# Altium PCB USB HUB3.0-PCB.PcbDoc (part 2 of 3)
Units mil, origin at the board's own origin, x right, y up, seen from the top; angles counter-clockwise.
Board outline 2950 x 3195 mil, 4 copper layers (TOP, GND02, PWR03, BOTTOM), stack 61.811 mil thick; 109 components, 81 nets, 1499 pads, 624 vias.
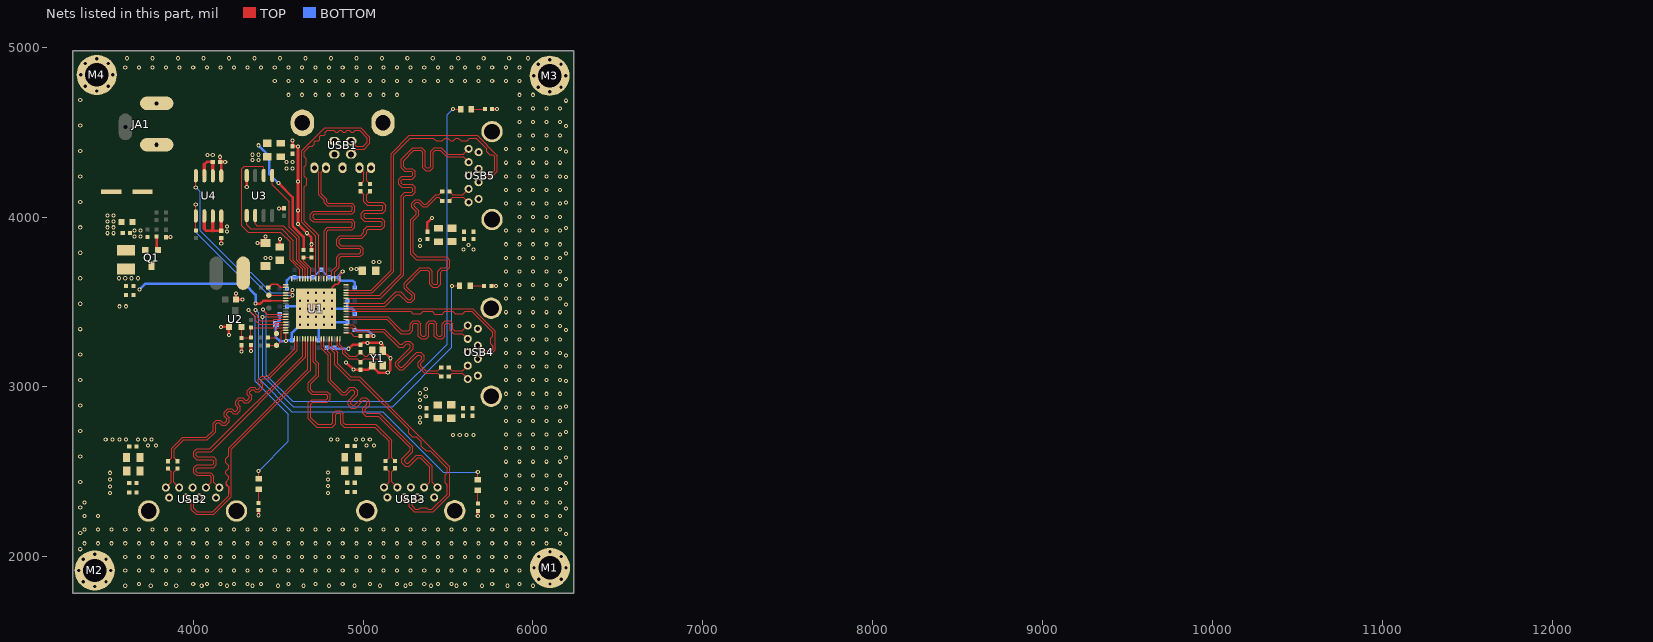
[diagram p4: the nets of this part, all layers, seen from the top]

## Via types
v1: diameter 24, hole 12, TOP to BOTTOM, tented both sides, 600 vias
v2: diameter 25.98, hole 12.99, TOP to BOTTOM, 24 vias

## Nets (pads, with @x,y where several pads share a name; then routed paths per layer and width w, separated by ;. In a path a pad name is that pad's centre, name@x,y a point inside that pad or via, vN(x,y) a via of type N, cw(c..) or ccw(c..) an arc to the next point about the centre after c; other vN are vias at no path point) (continued)
GND: C1.2 C2.2 C3.2 C4.2 C5.2 C6.2 C7.2 C8.2 C9.2 C10.2 C11.2 C12.2 C13.2 C14.2 C15.2 C16.2 C17.2 C18.2 C19.2 C20.2 C21.2 C22.2 C23.2 C24.2 C25.2 C26.1 C27.1 C28.1 C29.1 C32.2 C33.2 C34.2 C35.2 C36.2 C37.2 C40.2 C41.2 C42.2 C43.2 C46.2 C47.2 C48.2 C49.2 C52.2 C53.2 C54.2 C55.2 D1.1 EC1.2 JA1.2 M1.1 M2.1 M3.1 M4.1 R3.2 R5.2 R6.2 R9.2 R10.2 R11.2 R12.2 R19.2 U1.20 U1.57 U1.G U2.1 U3.4 U4.1 USB1.4 USB1.7 USB1.10 USB1.11 USB2.4 USB2.7 USB2.10 USB2.11 USB3.4 USB3.7 USB3.10 USB3.11 USB4.4 USB4.7 USB4.10 USB4.11 USB5.4 USB5.7 USB5.10 USB5.11 Y1.3 Y1.4 | length 4500.3
  TOP w8: v1(4545,3270) U1.57@4545,3318.5 ; U1.G@4626.71,3366.71 4720.24,3460.24 v2(4722.17,3460.24) 4817.74,3555.81 4817.74,3585.66 4837.08,3605 4850,3605 4863.9,3618.9 U1.20@4863.9,3637.4 4863.9,3663.9 v1(4880,3680)
  TOP w15: C29.1@3840,3881.69 v1(3866.69,3881.69) ; v1(4158.31,4355) C26.1@4158.31,4325 ; v1(4163.94,3353.31) U2.1@4210.2,3353.31 v1(4210.2,3307.05) ; v1(4165,3845) C25.2@4165,3876.69 ; U4.1@4165,4243.11 4165,4318.31 C26.1@4158.31,4325 ; C26.1@4165,4325 v1(4188.31,4325) C26.1@4158.31,4325 ; v1(4251.5,3550) C1.2@4251.5,3515 v1(4290,3515) ; v1(4285,3210) C6.2@4285,3245 ; v1(4315.08,4176.89) U3.4@4315.08,4245 ; v1(4340,3211.65) R5.2@4340,3246.65 ; v1(4378.74,3846.93) D1.1@4425,3846.93 v1(4425,3885) ; v1(4385,2245) R9.2@4385,2274.49 ; v1(4505,4050) 4533.35,4050 C24.2@4535,4051.65 ; C2.2@4510,3823.74 v1(4510,3870) ; v1(4585,4450) C33.2@4585,4416.65 v1(4616.65,4416.65) v1(4616.65,3958.35) 4695,3880 v1(4695,3840) R6.2@4695,3806.65 ; v1(4900,3145) v1(4943.31,3101.69) C4.2@4984.92,3101.69 5029.13,3101.69 Y1.4@5054.13,3126.69 5054.13,3120.87 5090,3085 v1(5145,3085) 5160,3100 v1(5160,3169.02) Y1.3@5115.71,3213.31 5115.71,3249.29 v1(5105,3260) v1(5025,3260) 4996.61,3260 C5.2@4984.92,3248.31 4938.31,3248.31 v1(4915,3225) ; R3.2@5026.65,3300 v1(5060,3300) ; C52.2@5378.74,3914.02 5378.74,3968.74 v1(5405,3995) ; v1(5675,2239.41) R10.2@5675,2268.9 ; R11.2@5753.31,3595 R11.2@5755,3595 v1(5782.8,3595) ; R12.2@5759.41,4635 R12.2@5760,4635 v1(5788.9,4635)
  BOTTOM w12: C9.2@4706.42,3645.75 4749.72,3689.06 C18.2@4753.66,3689.06 4796.97,3645.75 C15.2@4800.91,3645.75
  BOTTOM w15: C22.2@4508.35,3428.74 4508.35,3393.35 4485,3370 4485,3295 4510,3270 v1(4545,3270) 4549.72,3274.72 C10.2@4580.43,3274.72 4580.43,3318.5 v2(4627.68,3365.75) ; C8.2@4551.65,3475 4612.91,3475 v2(4627.68,3460.24) ; C19.2@4551.65,3580.47 4551.65,3626.65 4570.75,3645.75 C7.2@4596.18,3645.75 C9.2@4706.42,3645.75 ; v2(4722.17,3365.75) 4737.91,3350 C11.2@4737.91,3274.72 ; C21.2@4785.16,3231.42 C12.2@4832.4,3231.42 4838.82,3225 v1(4915,3225) ; C15.2@4800.91,3645.75 4845.75,3645.75 ; v2(4816.65,3365.75) 4832.4,3381.5 C13.2@4907.68,3381.5 ; v2(4816.65,3460.24) 4910,3460.24 ; v1(4880,3680) 4845.75,3645.75 ; C14.2@4907.68,3507.48 4907.68,3462.56 4910,3460.24 ; C20.2@4950.98,3334.25 5025.75,3334.25 v1(5060,3300) ; C23.2@4950.98,3428.74 4947.27,3432.46 4947.27,3451.45 4938.48,3460.24 4910,3460.24 ; C17.2@4950.98,3586.22 4950.98,3614.02 4940,3625 4866.5,3625 4845.75,3645.75
  other v1: 3600,1830 3750,1830 3900,1830 4050,1830 4200,1830 4350,1830 4500,1830 4650,1830 4800,1830 4950,1830 5100,1830 5250,1830 5400,1830 5550,1830 5700,1830 5850,1830 6000,1830 3680,1840 3840,1840 4000,1840 4080,1840 4160,1840 4240,1840 4320,1840 4400,1840 4560,1840 4720,1840 4880,1840 5040,1840 5200,1840 5280,1840 5360,1840 5440,1840 5520,1840 5600,1840 5760,1840 5920,1840 3600,1920 3680,1920 3760,1920 3840,1920 3920,1920 4000,1920 4080,1920 4160,1920 4240,1920 4320,1920 4400,1920 4480,1920 4560,1920 4640,1920 4720,1920 4800,1920 4880,1920 4960,1920 5040,1920 5120,1920 5200,1920 5280,1920 5360,1920 5440,1920 5520,1920 5600,1920 5680,1920 5760,1920 5840,1920 5920,1920 3600,2000 3680,2000 3760,2000 3840,2000 3920,2000 4000,2000 4080,2000 4160,2000 4240,2000 4320,2000 4400,2000 4480,2000 4560,2000 4640,2000 4720,2000 4800,2000 4880,2000 4960,2000 5040,2000 5120,2000 5200,2000 5280,2000 5360,2000 5440,2000 5520,2000 5600,2000 5680,2000 5760,2000 5840,2000 5920,2000 3335,2045 3360,2080 3440,2080 3520,2080 3600,2080 3680,2080 3760,2080 3840,2080 3920,2080 4000,2080 4080,2080 4160,2080 4240,2080 4320,2080 4400,2080 4480,2080 4560,2080 4640,2080 4720,2080 4800,2080 4880,2080 4960,2080 5040,2080 5120,2080 5200,2080 5280,2080 5360,2080 5440,2080 5520,2080 5600,2080 5680,2080 5760,2080 5840,2080 5920,2080 6000,2080 6080,2080 6160,2080 6195,2135 3335,2140 3360,2160 3440,2160 3520,2160 3600,2160 3680,2160 3760,2160 3840,2160 3920,2160 4000,2160 4080,2160 4160,2160 4240,2160 4320,2160 4400,2160 4480,2160 4560,2160 4640,2160 4720,2160 4800,2160 4880,2160 4960,2160 5040,2160 5120,2160 5200,2160 5280,2160 5360,2160 5440,2160 5520,2160 5600,2160 5680,2160 5760,2160 5840,2160 5920,2160 6000,2160 6080,2160 6160,2160 3360,2240 3440,2240 5760,2240 5840,2240 5920,2240 6000,2240 6080,2240 6160,2240 6195,2285 3335,2290 3360,2320 5840,2320 5920,2320 6000,2320 6080,2320 6160,2320 3510,2375 4794.29,2376.26 5840,2400 5920,2400 6000,2400 6080,2400 6160,2400 3510,2415 4794.29,2416.26 6195,2435 3335,2440 3510,2455 4794.29,2456.26 5840,2480 5920,2480 6000,2480 6080,2480 6160,2480 3510,2495 4794.29,2496.26 5840,2560 5920,2560 6000,2560 6080,2560 6160,2560 6195,2585 3335,2590 5840,2640 5920,2640 6000,2640 6080,2640 6160,2640 3735,2655 3780,2655 5019.29,2656.26 5064.29,2656.26 3675,2690 3715,2690 3755,2690 4959.29,2691.26 4999.29,2691.26 5039.29,2691.26 5528.74,2718.03 5568.74,2718.03 5608.74,2718.03 5648.74,2718.03 5840,2720 5920,2720 6000,2720 6080,2720 6160,2720 6195,2735 3335,2740 5840,2800 5920,2800 6000,2800 6080,2800 6160,2800 5840,2880 5920,2880 6000,2880 6080,2880 6160,2880 5333.74,2883.03 6195,2885 3335,2890 5333.74,2923.03 5368.74,2943.03 5840,2960 5920,2960 6000,2960 6080,2960 6160,2960 5333.74,2963.03 5368.74,2988.03 6195,3035 3335,3040 5840,3040 5920,3040 6000,3040 6080,3040 6160,3040 5840,3120 5920,3120 6000,3120 6080,3120 6160,3120 6195,3185 3335,3190 5840,3200 5920,3200 6000,3200 6080,3200 6160,3200 5840,3280 5920,3280 6000,3280 6080,3280 6160,3280 6195,3335 3335,3340 5840,3360 5920,3360 6000,3360 6080,3360 6160,3360 5840,3440 5920,3440 6000,3440 6080,3440 6160,3440 3565,3475 3605,3475 6195,3485 3335,3490 5840,3520 5920,3520 6000,3520 6080,3520 6160,3520 5840,3600 5920,3600 6000,3600 6080,3600 6160,3600 6195,3635 3335,3640 5840,3680 5920,3680 6000,3680 6080,3680 6160,3680 5060,3735 5095,3735 5840,3760 5920,3760 6000,3760 6080,3760 6160,3760 6195,3785 3335,3790 5590,3810 5650,3810 5620,3835 5840,3840 5920,3840 6000,3840 6080,3840 6160,3840 3495,3905 3530,3905 4669,3905 5840,3920 5920,3920 6000,3920 6080,3920 6160,3920 6195,3935 3335,3940 3495,3940 3530,3940 3495,3975 3530,3975 5920,4000 6000,4000 6080,4000 6160,4000 3495,4010 3530,4010 4616,4040 5840,4080 5920,4080 6000,4080 6080,4080 6160,4080 6195,4085 3335,4090 5840,4160 5920,4160 6000,4160 6080,4160 6160,4160 4616,4210 6195,4235 3335,4240 5840,4240 5920,4240 6000,4240 6080,4240 6160,4240 5840,4320 5920,4320 6000,4320 6080,4320 6160,4320 4350,4337 4385,4337 4350,4367 4385,4367 6195,4385 3335,4390 5840,4400 5920,4400 6000,4400 6080,4400 6160,4400 5920,4480 6000,4480 6080,4480 6160,4480 6195,4535 3335,4540 5920,4560 6000,4560 6080,4560 6160,4560 5920,4640 6000,4640 6080,4640 6160,4640 6195,4685 3335,4690 4560,4720 4640,4720 4720,4720 4800,4720 4880,4720 4960,4720 5040,4720 5120,4720 5200,4720 5920,4720 6000,4720 4480,4800 4560,4800 4640,4800 4720,4800 4800,4800 4880,4800 4960,4800 5040,4800 5120,4800 5200,4800 5280,4800 5360,4800 5440,4800 5520,4800 5600,4800 5680,4800 5760,4800 5840,4800 5920,4800 3600,4880 3680,4880 3760,4880 3840,4880 3920,4880 4000,4880 4080,4880 4160,4880 4240,4880 4320,4880 4400,4880 4480,4880 4560,4880 4640,4880 4720,4880 4800,4880 4880,4880 4960,4880 5040,4880 5120,4880 5200,4880 5280,4880 5360,4880 5440,4880 5520,4880 5600,4880 5680,4880 5760,4880 5840,4880 5920,4880 3610,4935 3760,4935 3910,4935 4060,4935 4210,4935 4360,4935 4510,4935 4660,4935 4810,4935 4960,4935 5110,4935 5260,4935 5410,4935 5560,4935 5710,4935 5860,4935 5970,4935
  other v2: 4674.92,3365.75 4769.41,3365.75 4627.68,3412.99 4674.92,3412.99 4722.17,3412.99 4769.41,3412.99 4816.65,3412.99 4674.92,3460.24 4769.41,3460.24 4627.68,3507.48 4674.92,3507.48 4722.17,3507.48 4769.41,3507.48 4816.65,3507.48 4674.92,3554.72 4722.17,3554.72 4769.41,3554.72 4816.65,3554.72
GRN1: LED1.1 U1.53 | length 1434.3
  TOP w6: v1(4324.3,3453.59) 4324.3,3452.83 4366.06,3411.06 4366.06,3393.94 4390,3370 4475,3370 4486.5,3381.5 U1.53@4545,3381.5 ; LED1.1@4385,2460 v1(4385,2505)
  BOTTOM w6: v1(4324.3,3453.59) 4365,3412.89 4365,3035 4560,2840 4560,2680 v1(4385,2505)
GRN2: LED2.1 U1.52 | length 2202.2
  TOP w6: v1(4367.15,3453.59) 4367.15,3430.72 4378.62,3419.25 4378.62,3406.38 4395,3390 4470,3390 4477.24,3397.24 U1.52@4545,3397.24 ; LED2.1@5675,2454.41 v1(5675,2499.41)
  BOTTOM w6: v1(4367.15,3453.59) 4385,3435.74 4385,3050 4580,2855 5115,2855 5470.59,2499.41 v1(5675,2499.41)
GRN3: LED3.1 U1.51 | length 2225.6
  TOP w6: v1(4407.99,3412.99) U1.51@4545,3412.99 ; v1(5522.8,3595) LED3.1@5567.8,3595
  BOTTOM w6: v1(4407.99,3412.99) 4407.99,3065 4587.99,2885 5175,2885 5522.8,3232.8 v1(5522.8,3595)
GRN4: LED4.1 U1.50 | length 3249.5
  TOP w6: v1(4410,3455) 4436.26,3428.74 U1.50@4545,3428.74 ; v1(5528.9,4635) LED4.1@5573.9,4635
  BOTTOM w6: v1(4410,3455) 4430,3435 4430,3070 4585,2915 5157.2,2915 5495,3252.8 5495,4601.1 v1(5528.9,4635)
NetC33_1: C33.1 LB1.2 USB1.1
  other v1: 4550,4285 4585,4285 4550,4325 4585,4325
NetC35_1: C35.1 C36.1 C37.1 LB2.2 USB2.1
NetC41_1: C41.1 C42.1 C43.1 LB3.2 USB3.1
NetC47_1: C47.1 C48.1 C49.1 LB4.2 USB4.1
NetC53_1: C53.1 C54.1 C55.1 LB5.2 USB5.1
NetL1_1: L1.1 U1.39
NetLED1_2: LED1.2 R9.1 | length 80
  TOP w6: R9.1@4385,2317.8 LED1.2@4385,2397.8
NetLED2_2: LED2.2 R10.1 | length 80
  TOP w6: R10.1@5675,2312.2 LED2.2@5675,2392.2
NetLED3_2: LED3.2 R11.1 | length 80
  TOP w6: LED3.2@5630,3595 R11.1@5710,3595
NetLED4_2: LED4.2 R12.1 | length 80
  TOP w6: LED4.2@5636.1,4635 R12.1@5716.1,4635
NetQ1_1: Q1.1 R16.2 | length 81.8
  TOP w15: Q1.1@3785,3813.66 R16.2@3785,3885
  TOP w20: Q1.1@3785,3813.66 Q1.1@3792.4,3806.26
NetR1_2: R1.2 U1.40 | length 119.4
  TOP w8: R1.2@4441.65,3585 4461.65,3605 4475,3605 4495,3605 4513.78,3586.22 U1.40@4545,3586.22
OVCUR1: R18.2 R19.1 U1.45 | length 960.9
  TOP w8: 4455,3507.48 U1.45@4545,3507.48
  TOP w15: v1(4367.34,3490.23) 4395.23,3490.23 4412.48,3507.48 4455,3507.48
  BOTTOM w15: v1(3685,3575) 3718.69,3608.69 4301.31,3608.69 4367.34,3542.66 v1(4367.34,3490.23)
OVCUR2B: R13.1 U1.44 U4.5 | length 1090.2
  TOP w6: R13.1@4015,3920 U4.5@4015,4006.89 v1(4015,4075) ; U1.44@4545,3523.23 4568.23,3523.23 v1(4585,3540)
  BOTTOM w6: v1(4015,4075) 4015,3910 4270,3655 4330,3655 4445,3540 4475,3540 v1(4585,3540)
PWREN1: TP4.1 U1.43 | length 100.4
  TOP w6: TP4.1@4445,3540 4446.02,3538.98 U1.43@4545,3538.98
PWREN2B: U1.42 U4.4 | length 1082.2
  TOP w6: v1(4015,4175) U4.4@4015,4243.11 ; U1.42@4545,3554.72 4569.72,3554.72 v1(4585,3570)
  BOTTOM w6: v1(4015,4175) 4040,4150 4040,3920 4285,3675 4340,3675 4460,3555 4475,3555 4570,3555 v1(4585,3570)
RST_OUT: C6.1 R2.2 R5.1 U1.54 U2.2 | length 392.2
  TOP w6: U2.2@4285,3353.31 C6.1@4285,3288.31 4338.35,3288.31 R5.1@4340,3289.96 R2.2@4340,3350 4475,3350 4490,3365 4544.25,3365 U1.54@4545,3365.75
SMCLK/TX: R8.2 TP2.1 U1.55 | length 156.2
  TOP w6: R8.2@4440,3290 4485,3290 4490,3295 TP2.1@4490,3315 4490,3340 4500,3350 U1.55@4545,3350
SMDAT/RX: R7.2 TP1.1 U1.56 | length 177.1
  TOP w6: R7.2@4440,3245 TP1.1@4490,3245 4495,3245 4519.63,3269.63 4519.63,3329.63 4524.25,3334.25 U1.56@4545,3334.25
SPI_CS: U1.32 U3.1 | length 694.5
  TOP w6: U3.1@4465.08,4245 4465.08,4189.92 4565,4090 4565,3941 4625,3881 4625,3748 4674.92,3698.08 U1.32@4674.92,3637.4
SPI_SCLK: U1.33 U3.6 | length 584.5
  TOP w6: U3.6@4365.08,4008.78 4365.08,3960 4375.08,3950 4531,3950 4609.02,3871.98 4609.02,3745.84 4659.17,3695.68 U1.33@4659.17,3637.4
SPI_SI: U1.34 U3.5 | length 613.4
  TOP w6: U3.5@4315.08,4008.78 4315.08,3955 4340.08,3930 4521,3930 4590,3861 4590,3746.84 4643.43,3693.41 U1.34@4643.43,3637.4
SPI_SO: U1.35 U3.2 | length 1461.8
  TOP w6: U3.2@4415.08,4245 4415.08,4294.92 4410,4300 4300,4300 4285,4285 4285,3950 4325,3910 ; U1.35@4627.68,3637.4 4627.68,3690.69 4570,3748.37 ; 4325,3910 4513.46,3910 ; 4325,3910 4513.46,3910 ; 4513.46,3910 4570,3853.46 ; 4513.46,3910 4570,3853.46 ; 4570,3748.37 4570,3853.46 ; 4570,3748.37 4570,3853.46
SSREXT: R3.1 U1.1 | length 91.7
  TOP w6: U1.1@4899.33,3318.5 4926.89,3318.5 4945.39,3300 R3.1@4983.35,3300
SSRX0+: U1.26 USB1.9 | length 1441.9
  TOP w6: USB1.9@4712.58,4290.29 4739.28,4263.59 4739.28,4130.72 4770,4100 4770,4085.29 4789.79,4065.5 4928.79,4065.5 4936.67,4057.62 4936.67,4041.87 4928.79,4034 4706.59,4034 4689.64,4017.04 4689.64,3988.45 4706.59,3971.5 4928.74,3971.5 4936.62,3963.62 4936.62,3947.87 4928.74,3940 4789.79,3940 4770,3920.21 U1.26@4770,3649.72 ; U1.26@4769.41,3637.4 U1.26@4769.41,3649.13
SSRX0-: U1.25 USB1.8 | length 1442.1
  TOP w6: USB1.8@4781.48,4290.29 4754.78,4263.59 4754.78,4137.14 4785.5,4106.42 4785.5,4091.71 4796.21,4081 4935.21,4081 4952.17,4064.04 4952.17,4035.45 4935.21,4018.5 4713.01,4018.5 4705.14,4010.62 4705.14,3994.87 4713.01,3987 4935.16,3987 4952.12,3970.04 4952.12,3941.45 4935.16,3924.5 4796.21,3924.5 4785.5,3913.79 U1.25@4785.5,3637.74
SSRX1+: U1.62 USB2.6 | length 1492.2
  TOP w6: USB2.6@4075.08,2407.8 4106.7,2439.42 4106.7,2468.29 4095.99,2479 4020.55,2479 4003.59,2495.96 4003.59,2524.55 4020.55,2541.5 4113.32,2541.5 4121.2,2549.38 4121.2,2565.13 4113.32,2573 4020.55,2573 4003.59,2589.96 4003.59,2618.55 4020.55,2635.5 4098.58,2635.5 4643.67,3180.59 4643.55,3180.72 U1.62@4643.55,3282.95
SSRX1-: U1.63 USB2.5 | length 1492.1
  TOP w6: USB2.5@4153.82,2407.8 4122.2,2439.42 4122.2,2474.71 4102.41,2494.5 4026.97,2494.5 4019.09,2502.38 4019.09,2518.13 4026.97,2526 4119.74,2526 4136.7,2542.96 4136.7,2571.55 4119.74,2588.5 4026.97,2588.5 4019.09,2596.38 4019.09,2612.13 4026.97,2620 4105,2620 4659.17,3174.17 U1.63@4659.05,3282.95
SSRX2+: U1.69 USB3.6 | length 1594.5
  TOP w6: U1.69@4753.79,3282.95 4753.79,3229.29 4795.5,3187.58 4795.5,3032.58 4873.3,2954.78 4901.29,2954.78 4929.22,2982.71 4940.35,2982.71 4951.49,2971.58 4951.49,2960.44 4911.3,2920.25 4911.3,2896.27 4931.52,2876.06 4955.5,2876.06 5000.21,2920.77 5011.35,2920.77 5022.48,2909.63 5022.48,2898.5 4997.93,2873.94 4997.93,2845.95 5014.88,2829 5089.08,2829 5276.34,2641.74 5276.34,2626.6 5228.67,2578.93 5228.67,2554.95 5248.89,2534.74 5272.87,2534.74 5320.53,2582.4 5335.68,2582.4 5390.99,2527.09 5390.99,2440.68 USB3.6@5359.37,2409.06
SSRX2-: U1.70 USB3.5 | length 1594.4
  TOP w6: U1.70@4769.29,3282.95 4769.29,3235.71 4811,3194 4811,3039 4879.72,2970.28 4894.86,2970.28 4922.8,2998.21 4946.77,2998.21 4966.99,2978 4966.99,2953.99 4926.99,2913.99 4926.99,2902.51 4937.94,2891.56 4949.08,2891.56 4993.79,2936.27 5017.77,2936.27 5037.98,2916.05 5037.98,2892.08 5013.43,2867.52 5013.43,2852.37 5021.3,2844.5 5095.5,2844.5 5233.5,2706.5 5291.84,2648.16 5291.84,2620.18 5244.17,2572.51 5244.17,2561.37 5255.31,2550.24 5266.45,2550.24 5314.11,2597.9 5342.1,2597.9 5406.49,2533.51 5406.49,2440.68 USB3.5@5438.11,2409.06
SSRX3+: U1.6 USB4.6 | length 1158.8
  TOP w6: U1.6@4899.33,3397.24 5137.76,3397.24 5220.5,3314.5 5273.6,3314.5 5293.5,3334.41 5293.5,3366.59 5301.38,3374.46 5317.13,3374.46 5325,3366.59 5325,3300.02 5341.96,3283.07 5370.55,3283.07 5387.5,3300.02 5387.5,3366.59 5395.38,3374.46 5411.13,3374.46 5419,3366.59 5419,3300.02 5435.96,3283.07 5464.55,3283.07 5481.5,3300.02 5481.5,3366.59 5489.38,3374.46 5505.13,3374.46 5513,3366.59 5513,3334.41 5532.79,3314.62 5572.55,3314.62 5572.66,3314.73 5584.32,3314.73 USB4.6@5615.94,3283.11
SSRX3-: U1.7 USB4.5 | length 1158.8
  TOP w6: U1.7@4899.33,3412.99 5143.93,3412.99 5226.92,3330 5267.18,3330 5278,3340.83 5278,3373.01 5294.96,3389.96 5323.55,3389.96 5340.5,3373.01 5340.5,3306.44 5348.38,3298.57 5364.13,3298.57 5372,3306.44 5372,3373.01 5388.96,3389.96 5417.55,3389.96 5434.5,3373.01 5434.5,3306.44 5442.38,3298.57 5458.13,3298.57 5466,3306.44 5466,3373.01 5482.96,3389.96 5511.55,3389.96 5528.5,3373.01 5528.5,3340.83 5539.1,3330.23 5584.32,3330.23 USB4.5@5615.94,3361.85
SSRX4+: U1.14 USB5.6 | length 1945.6
  TOP w6: U1.14@4899.33,3523.23 5103.23,3523.23 5240,3660 5240,4118.79 5250.71,4129.5 5290.57,4129.5 5307.52,4146.45 5307.52,4175.04 5290.57,4192 5233.37,4192 5225.5,4199.87 5225.5,4215.62 5233.37,4223.5 5290.57,4223.5 5307.52,4240.45 5307.52,4269.04 5290.57,4286 5250.71,4286 5240,4296.71 5240,4333 5299,4392 5339.79,4392 5350.5,4381.29 5350.5,4290.85 5367.45,4273.89 5396.04,4273.89 5413,4290.85 5413,4381.29 5423.71,4392 5455,4392 5492.27,4354.73 5589.32,4354.73 USB5.6@5620.94,4323.11
SSRX4-: U1.15 USB5.5 | length 1945.5
  TOP w6: U1.15@4899.33,3538.98 5097.06,3538.98 5224.5,3666.42 5224.5,4125.21 5244.29,4145 5284.15,4145 5292.02,4152.87 5292.02,4168.62 5284.15,4176.5 5226.95,4176.5 5210,4193.45 5210,4222.04 5226.95,4239 5284.15,4239 5292.02,4246.87 5292.02,4262.62 5284.15,4270.5 5244.29,4270.5 5224.5,4290.29 5224.5,4339.42 5292.58,4407.5 5346.21,4407.5 5366,4387.71 5366,4297.27 5373.87,4289.39 5389.62,4289.39 5397.5,4297.27 5397.5,4387.71 5417.29,4407.5 5461.42,4407.5 5498.69,4370.23 5589.32,4370.23 USB5.5@5620.94,4401.85
SSTX0+: C31.2 U1.23 | length 1327.9
  TOP w6: U1.23@4816.65,3637.4 4816.78,3637.53 4816.78,3683.7 4844.04,3710.96 4844.04,3764.21 4863.83,3784 4977.36,3784 4985.23,3791.87 4985.23,3807.62 4977.36,3815.5 4863.83,3815.5 4844.04,3835.29 4844.04,3870.96 4863.58,3890.5 4985.25,3890.5 5004.75,3910 5004.75,3925.21 5024.54,3945 5104.23,3945 5112.11,3952.87 5112.11,3968.62 5104.23,3976.5 5007.2,3976.5 4990.25,3993.45 4990.25,4022.04 5007.2,4039 5108.9,4039 5116.77,4046.87 5116.77,4062.62 5108.9,4070.5 5024.54,4070.5 5004.75,4090.29 5004.75,4131.94 C31.2@4985,4151.69
SSTX0+_E: C31.1 USB1.6 | length 114.4
  TOP w6: USB1.6@4978.33,4290.29 5004.75,4263.87 5004.75,4214.75 C31.1@4985,4195
SSTX0-: C30.2 U1.22 | length 1327.9
  TOP w6: U1.22@4832.4,3637.4 4832.28,3637.53 4832.28,3677.28 4859.54,3704.54 4859.54,3757.79 4870.25,3768.5 4983.78,3768.5 5000.73,3785.45 5000.73,3814.04 4983.78,3831 4870.25,3831 4859.54,3841.71 4859.54,3864.54 4870,3875 4991.67,3875 5020.25,3903.58 5020.25,3918.79 5030.96,3929.5 5110.65,3929.5 5127.61,3946.45 5127.61,3975.04 5110.65,3992 5013.62,3992 5005.75,3999.87 5005.75,4015.62 5013.62,4023.5 5115.32,4023.5 5132.27,4040.45 5132.27,4069.04 5115.32,4086 5030.96,4086 5020.25,4096.71 5020.25,4131.94 C30.2@5040,4151.69
SSTX0-_E: C30.1 USB1.5 | length 114.6
  TOP w6: C30.1@5040,4195 5020.25,4214.75 5020.25,4263.31 USB1.5@5047.23,4290.29
SSTX1+: C39.2 U1.59 | length 1359.5
  TOP w6: C39.2@3852.68,2563.31 3872.43,2583.06 3872.43,2633.63 3872.93,2634.13 3872.93,2639.49 3937.43,2704 4077.79,2704 4116.72,2742.93 4116.72,2785.36 4136.64,2805.28 4160.21,2805.28 4174.68,2790.81 4185.81,2790.81 4196.95,2801.95 4196.95,2813.09 4182.48,2827.56 4182.48,2851.12 4202.4,2871.04 4225.97,2871.04 4240.44,2856.57 4251.57,2856.57 4262.71,2867.71 4262.71,2878.85 4248.9,2892.66 4248.9,2916.22 4268.83,2936.15 4292.39,2936.15 4306.2,2922.34 4317.34,2922.34 4328.47,2933.47 4328.47,2944.61 4317.87,2955.22 4317.87,2978.78 4337.79,2998.7 4361.35,2998.7 4371.96,2988.1 4383.1,2988.1 4394.23,2999.23 4394.23,3010.37 4383.63,3020.98 4383.63,3044.54 4403.55,3064.46 4437.9,3064.46 4596.08,3222.64 4596.43,3222.64 4596.43,3246.65 4596.31,3246.77 4596.31,3282.95 U1.59@4596.18,3283.07
SSTX1+_E: C39.1 USB2.9 | length 132.7
  TOP w6: USB2.9@3838.86,2407.8 3870.48,2439.42 3870.48,2502.2 C39.1@3852.68,2520
SSTX1-: C38.2 U1.60 | length 1359.6
  TOP w6: C38.2@3907.68,2563.31 3887.93,2583.06 3887.93,2633.28 3943.65,2689 4084,2689 4131.72,2736.72 4131.72,2779.15 4142.86,2790.28 4153.99,2790.28 4168.46,2775.81 4192.03,2775.81 4211.95,2795.74 4211.95,2819.3 4197.48,2833.77 4197.48,2844.91 4208.62,2856.04 4219.75,2856.04 4234.22,2841.57 4257.79,2841.57 4277.71,2861.5 4277.71,2885.06 4263.9,2898.87 4263.9,2910.01 4275.04,2921.15 4286.18,2921.15 4299.99,2907.34 4323.55,2907.34 4343.47,2927.26 4343.47,2950.82 4332.87,2961.43 4332.87,2972.57 4344,2983.7 4355.14,2983.7 4365.75,2973.1 4389.31,2973.1 4409.23,2993.02 4409.23,3016.58 4398.63,3027.19 4398.63,3038.33 4409.76,3049.46 4445.17,3049.46 4611.93,3216.22 4611.93,3253.07 ; 4611.81,3253.19 U1.60@4611.81,3282.95
SSTX1-_E: C38.1 USB2.8 | length 134.3
  TOP w6: C38.1@3907.68,2520 3885.98,2498.3 3885.98,2439.42 USB2.8@3917.6,2407.8
SSTX2+: C45.2 U1.66 | length 1474.1
  TOP w6: U1.66@4706.42,3283.07 4706.67,3282.82 4706.67,3149.41 4724.5,3131.58 4724.5,3072.42 4677.5,3025.42 4677.5,2977.29 4697.29,2957.5 4783.7,2957.5 4791.58,2949.62 4791.58,2933.87 4783.7,2926 4697.29,2926 4677.5,2906.21 4677.5,2812.5 4726,2764 4817.71,2764 4837.5,2783.79 4837.5,2836.49 4845.38,2844.37 4861.13,2844.37 4869,2836.49 4869,2783.79 4888.79,2764 5069.08,2764 5152.72,2680.36 5152.72,2584.32 C45.2@5142.01,2573.61 ; C45.2@5132.97,2565.55 C45.2@5141.03,2573.61
SSTX2+_E: C45.1 USB3.9 | length 132.6
  TOP w6: USB3.9@5123.15,2409.06 5152.72,2438.62 5152.72,2501.51 C45.1@5132.97,2521.26
SSTX2-: C44.2 U1.67 | length 1475.4
  TOP w6: U1.67@4722.17,3283.07 4722.17,3155.83 4740,3138 4740,3066 4693,3019 4693,2983.71 4703.71,2973 4790.12,2973 4807.08,2956.04 4807.08,2927.45 4790.12,2910.5 4703.71,2910.5 4693,2899.79 4693,2818.92 4732.42,2779.5 4811.29,2779.5 4822,2790.21 4822,2842.91 4838.96,2859.87 4867.55,2859.87 4884.5,2842.91 4884.5,2790.21 4895.21,2779.5 5075.5,2779.5 5168.22,2686.78 5168.22,2584.32 C44.2@5187.97,2564.57
SSTX2-_E: C44.1 USB3.8 | length 134.3
  TOP w6: C44.1@5187.97,2521.26 5168.22,2501.51 5168.22,2442.73 USB3.8@5201.89,2409.06
SSTX3+: C51.2 U1.3 | length 1023.4
  TOP w6: U1.3@4899.33,3350 4935,3350 4960.5,3324.5 5118.58,3324.5 5192.54,3250.54 5208.44,3234.64 5236.43,3234.64 5256.12,3254.33 5267.26,3254.33 5278.39,3243.19 5278.39,3232.06 5192.39,3146.05 5192.39,3122.07 5212.61,3101.86 5236.58,3101.86 5322.59,3187.86 5333.73,3187.86 5344.86,3176.72 5344.86,3165.59 5325.17,3145.9 5325.17,3117.91 5362.62,3080.46 5440.68,3080.46 C51.2@5460.43,3060.71
SSTX3+_E: C51.1 USB4.9 | length 134.3
  TOP w6: C51.1@5503.74,3060.71 5523.49,3080.46 5582.38,3080.46 USB4.9@5615.94,3046.89
SSTX3-: C50.2 U1.4 | length 1023.5
  TOP w6: U1.4@4899.33,3365.75 4941.17,3365.75 4966.92,3340 5125,3340 5214.86,3250.14 5230.01,3250.14 5249.7,3269.83 5273.68,3269.83 5293.89,3249.61 5293.89,3225.64 5207.89,3139.63 5207.89,3128.49 5219.03,3117.36 5230.16,3117.36 5316.17,3203.36 5340.15,3203.36 5360.36,3183.15 5360.36,3159.17 5340.67,3139.48 5340.67,3124.33 5369.04,3095.96 5440.68,3095.96 C50.2@5460.43,3115.71
SSTX3-_E: C50.1 USB4.8 | length 132.7
  TOP w6: C50.1@5503.74,3115.71 5523.49,3095.96 5586.27,3095.96 USB4.8@5615.94,3125.63
SSTX4+: C57.2 U1.11 | length 1815.6
  TOP w6: U1.11@4899.33,3475.98 5130.98,3475.98 5198.8,3543.8 5213.94,3543.8 5259.22,3498.52 5283.19,3498.52 5303.41,3518.74 5303.41,3542.72 5258.14,3587.99 5258.14,3603.14 5340.69,3685.69 5381.79,3685.69 5392.5,3674.98 5392.5,3605.31 5409.7,3588.1 5438.79,3588.1 5456,3605.31 5456,3674.98 5466.71,3685.69 5490.96,3685.69 5510.23,3704.96 5510.23,3746.73 5491.46,3765.5 5318.5,3765.5 5295,3789 5295,3977 5327.4,4009.4 5327.4,4037.39 5300.88,4063.91 5300.88,4075.05 5312.01,4086.19 5323.15,4086.19 5349.68,4059.66 5377.66,4059.66 5433.46,4115.46 5445.68,4115.46 C57.2@5465.43,4095.71
SSTX4+_E: C57.1 USB5.9 | length 132.3
  TOP w6: C57.1@5508.74,4095.71 5528.49,4115.46 5592.69,4115.46 ; 5592.53,4115.3 USB5.9@5620.94,4086.89
SSTX4-: C56.2 U1.12 | length 1815.5
  TOP w6: U1.12@4899.33,3491.73 5124.81,3491.73 5192.38,3559.3 5220.36,3559.3 5265.64,3514.02 5276.77,3514.02 5287.91,3525.16 5287.91,3536.3 5242.64,3581.57 5242.64,3609.56 5334.27,3701.19 5388.21,3701.19 5408,3681.4 5408,3611.73 5416.12,3603.6 5432.37,3603.6 5440.5,3611.73 5440.5,3681.4 5460.29,3701.19 5484.54,3701.19 5494.73,3711.38 5494.73,3740.31 5485.04,3750 5312.08,3750 5279.5,3782.58 5279.5,3983.42 5287.04,3990.96 5311.9,4015.82 5311.9,4030.97 5285.38,4057.49 5285.38,4081.47 5305.59,4101.69 5329.57,4101.69 5356.1,4075.16 5371.24,4075.16 5427.04,4130.96 5445.68,4130.96 C56.2@5465.43,4150.71
SSTX4-_E: C56.1 USB5.8 | length 134.7
  TOP w6: C56.1@5508.74,4150.71 5528.49,4130.96 5586.27,4130.96 USB5.8@5620.94,4165.63
SSXI: C4.1 U1.75 Y1.1 | length 381.2
  TOP w6: U1.75@4848.15,3283.07 4848.15,3246.85 4880,3215 4880,3200 4915,3165 4964.92,3165 C4.1@4984.92,3145 5004.92,3165 5079.8,3165 5097.48,3147.32 5099.02,3147.32 5115.71,3130.63 Y1.1@5115.71,3126.69
SSXO: C5.1 U1.76 Y1.2 | length 297.4
  TOP w6: U1.76@4863.9,3283.07 4863.9,3248.6 4895,3217.5 4895,3205 4920,3180 4959.92,3180 C5.1@4984.92,3205 5009.92,3180 5025,3180 5054.13,3209.13 Y1.2@5054.13,3213.31
USBDP+: U1.28 USB1.3 | length 1442.9
  TOP w6: 4737.66,3705.02 4737.66,3892.34 4655,3975 4655,4178 4668.6,4191.6 4668.6,4226.71 4655,4240.31 4655,4295.44 4666.27,4306.71 4666.27,4344.48 4655,4355.75 4655,4385 4686.06,4416.06 4701.15,4416.06 4712.97,4427.88 4712.97,4442.97 4719.21,4449.21 4738.54,4449.21 4744.79,4455.45 4744.79,4474.79 4751.03,4481.03 4770.36,4481.03 4776.6,4487.27 4776.6,4499.1 4787.5,4510 4827.51,4510 4839.56,4497.94 4850.01,4497.94 4862.06,4510 4872.51,4510 4884.56,4497.94 4895.81,4497.94 4907.87,4510 4917.51,4510 4929.56,4497.94 4940.81,4497.94 4952.87,4510 4980,4510 5025,4465 5025,4441.15 5000,4416.15 4960.74,4416.15 USB1.3@4929.12,4447.77 ; U1.28@4737.69,3637.62 4737.68,3705
USBDP-: U1.29 USB1.2 | length 1442.5
  TOP w6: U1.29@4722.17,3637.4 4722.17,3705 4722.17,3885.92 4639.5,3968.58 4639.5,3974.99 4639.5,4391.42 4656.54,4408.46 4773.58,4525.5 4986.42,4525.5 5040.5,4471.42 5040.5,4434.73 5006.42,4400.65 4960.74,4400.65 USB1.2@4929.12,4369.03
USBHP1+: U1.64 USB2.3 | length 1499.6
  TOP w6: USB2.3@4035.71,2348.74 4028.1,2341.14 4010.9,2341.14 4004.09,2334.32 4004.09,2285 4024.09,2265 4115,2265 4209.5,2359.5 4209.5,2372.36 ; 4193.21,2443 4209.5,2459.29 4209.5,2472.33 4191.58,2490.25 4191.58,2503.83 4209.5,2521.75 4209.5,2535.33 4191.58,2553.25 4191.58,2578.64 4209.5,2596.56 4209.5,2639.5 4674.92,3104.92 U1.64@4674.92,3283.07
  TOP w7.5: 4193.21,2443 4193.21,2427.25 4201.08,2419.37 4201.62,2419.37 4209.5,2411.5 4209.5,2387.87 4209.5,2372.36
USBHP1-: U1.65 USB2.2 | length 1497.5
  TOP w6: USB2.2@3956.97,2348.74 3988.59,2317.12 3988.59,2278.58 4017.67,2249.5 4121.42,2249.5 4225,2353.08 4225,2633.08 4681.34,3089.42 4690.42,3098.5 4690.42,3108.38 4690.67,3108.63 4690.67,3210 U1.65@4690.67,3283.07
USBHP2+: U1.72 USB3.3 | length 1593.9
  TOP w6: U1.72@4800.91,3283.07 4801.03,3282.95 4801.03,3232.05 4834.5,3198.58 4834.5,3129.58 4920.08,3044 4974.08,3044 5267.54,2750.54 5267.54,2726.46 5287.96,2706.04 5312.04,2706.04 5341.54,2676.54 5341.54,2652.46 5370.46,2623.54 5394.54,2623.54 5495,2523.08 5495,2494 5483,2482 5483,2435 5495,2423 5495,2370 5405,2280 5382,2280 5372,2290 5338,2290 5328,2280 5308.38,2280 5288.38,2300 5288.38,2318.38 USB3.3@5320,2350
USBHP2-: U1.73 USB3.2 | length 1598.9
  TOP w6: U1.73@4816.65,3283.07 4816.53,3282.95 4816.53,3238.47 4850,3205 4850,3136 4926.5,3059.5 4980.5,3059.5 5510.5,2529.5 5510.5,2363.58 5411.42,2264.5 5301.96,2264.5 5272.88,2293.58 5272.88,2318.38 USB3.2@5241.26,2350
USBHP3+: U1.9 USB4.3 | length 1163.9
  TOP w6: U1.9@4899.33,3444.49 5279,3444.49 5293.49,3430 5339.51,3430 5354,3444.49 5405.51,3444.49 5420.49,3429.51 5465.02,3429.51 5480,3444.49 5527,3444.49 5541.49,3430 5586.51,3430 5601,3444.49 5640.51,3444.49 5707,3378 5762.5,3322.5 5762.5,3299.06 5750.23,3286.79 5750.23,3255.75 5762.5,3243.48 ; USB4.3@5675,3243.74 5706.62,3212.12 5750,3212.12 5755.88,3218
  TOP w7.5: 5755.88,3218 5762.5,3224.62 5762.5,3243.48
USBHP3-: U1.10 USB4.2 | length 1168.8
  TOP w6: U1.10@4899.33,3460.24 5646.68,3460.24 5778,3328.92 5778,3218.2 5756.42,3196.62 5706.62,3196.62 USB4.2@5675,3165
USBHP4+: U1.16 USB5.3 | length 1950.2
  TOP w6: U1.16@4899.45,3554.85 5054.85,3554.85 5180,3680 5180,4367 5278,4465 5413.46,4465 5430.46,4448 5466.5,4448 5483.5,4465 5498.04,4465 5515,4448.04 5529.54,4448.04 5546.5,4465 5561.04,4465 5577.91,4448.12 5612.12,4448.12 5629,4465 5665,4465 5728.5,4401.5 5728.5,4384.5 5746,4367 5763,4367 5775,4355 5775,4275 5752.12,4252.12 5711.62,4252.12 USB5.3@5680,4283.74
USBHP4-: U1.17 USB5.2 | length 1949.7
  TOP w6: U1.17@4899.33,3570.47 4899.45,3570.35 4970,3570.35 5048.43,3570.35 5164.5,3686.42 5164.5,4373.42 5271.58,4480.5 5671.42,4480.5 5790.5,4361.42 5790.5,4268.58 5758.54,4236.62 5711.62,4236.62 USB5.2@5680,4205
VBUS: C32.1 LB1.1 Q1.3 R4.1 | length 726.7
  TOP w15: v1(4502.25,4199.5) 4585,4116.75 4585,3948 4650,3883 R4.1@4650,3806.65
  BOTTOM w15: v1(4385.27,4422.71) 4447.63,4360.35 4447.63,4252.37 4500.5,4199.5 v1(4502.25,4199.5)
VBUSDET: R4.2 R6.1 U1.31 | length 187.8
  TOP w6: U1.31@4690.67,3637.4 4690.67,3699.52 4685.19,3705 4650,3740.19 R4.2@4650,3763.35 R6.1@4695,3763.35
VCC5V: C2.1 C3.1 C26.2 C27.2 C28.2 D1.2 EC1.1 FU1.2 JA1.1 Q1.2 R14.1 U1.19 U1.38 U4.2 U4.3 | length 205
  TOP w15: 4065,4310 4080,4325 C26.2@4115,4325
  TOP w20: U4.3@4065,4243.11 4065,4310 ; U4.2@4115,4243.11 C26.2@4115,4325
  other v1: 4930,3695 4960,3695 4425,3760 4455,3760 3655,3885 3690,3885 3655,3920 3690,3920 4085,4365 4115,4365
VDP1~3: C34.1 C40.1 C46.1 FU1.1 LB2.1 LB3.1 LB4.1 R18.1
  other v1: 3485,2690 3525,2690 3565,2690 3605,2690 4810,2690 4850,2690 5335,2790 5335,2820 3563,3640 3600,3640 3637,3640 3674,3640
VDP4: C25.1 C52.1 LB5.1 U4.6 U4.7 U4.8 | length 354.8
  TOP w15: 4065,3930 4075,3920 4115,3920 C25.1@4165,3920
  TOP w20: 4065,3930 U4.6@4065,4006.89 ; 4115,3920 U4.7@4115,4006.89 ; C25.1@4165,3920 U4.8@4165,4006.89
  other v1: 5335,3830 5335,3865 4200,3915 4200,3945
pads on no net: U1.21

## Polygon pours and split planes (outlines as drawn)
GND on TOP "GND_L01_P045" (hatched 90Degree grid 4 track 5, remove dead copper, pour order 45): 5710,4655 5800,4655 5835,4620 5835,4530 5835,4510 6240,4510 6240,4980 3295,4980 3290,4975 3290,1795 6245,1785 6245,4510 5835,4510 5825,4480 5825,2320 5705,2200 3515,2200 3360,2355 3360,4631.14 3578.86,4850 4330,4850 4525,4655
no net on TOP "NONET_L01_P044" (hatched 90Degree grid 4 track 5, remove dead copper, pour order 44): 3570,2170
NetC33_1 on TOP "NETC33_1_L01_P041" (hatched 90Degree grid 4 track 5, remove dead copper, pour order 41): 4485,4380 4565,4380 4570,4385 4605,4385 4605,4290 4590,4275 4500,4275 4485,4290
VDP1~3 on TOP "VDP1~3_L01_P040" (hatched 90Degree grid 4 track 5, remove dead copper, pour order 40): 4920,2560 4920,2690 4895,2715 4815,2715 4790,2690 4790,2575 4805,2560
GND on TOP "GND_L01_P039" (hatched 90Degree grid 4 track 5, remove dead copper, pour order 39): 5495,3880 5675,3880 5690,3865 5690,3805 5675,3790 5510,3790 5495,3805
VDP1~3 on TOP "VDP1~3_L01_P038" (hatched 90Degree grid 4 track 5, remove dead copper, pour order 38): 5465,2835 5395,2835 5385,2845 5335,2845 5310,2820 5310,2780 5325,2765 5465,2765
NetC53_1 on TOP "NETC53_1_L01_P037" (hatched 90Degree grid 4 track 5, remove dead copper, pour order 37): 5415,3915 5565,3915 5580,3900 5675,3900 5690,3915 5690,4030 5705,4045 5705,4130 5665,4130 5660,4125 5660,4075 5555,3970 5430,3970 5415,3955
GND on TOP "GND_L01_P036" (hatched 90Degree grid 4 track 5, remove dead copper, pour order 36): 5493.74,2838.03 5658.74,2838.03 5683.74,2813.03 5683.74,2703.03 5658.74,2678.03 5528.74,2678.03 5493.74,2713.03
NetC47_1 on TOP "NETC47_1_L01_P035" (hatched 90Degree grid 4 track 5, remove dead copper, pour order 35): 5413.74,2873.03 5413.74,2963.03 5428.74,2978.03 5598.74,2978.03 5648.74,3028.03 5648.74,3078.03 5658.74,3088.03 5698.74,3088.03 5703.74,3083.03 5703.74,2983.03 5683.74,2963.03 5683.74,2878.03 5668.74,2863.03 5558.74,2863.03 5548.74,2873.03
GND on TOP "GND_L01_P034" (hatched 90Degree grid 4 track 5, remove dead copper, pour order 34): 5383.74,2863.03 5333.74,2863.03 5308.74,2888.03 5308.74,2993.03 5323.74,3008.03 5368.74,3008.03 5383.74,2993.03
GND on TOP "GND_L01_P028" (hatched 90Degree grid 4 track 5, remove dead copper, pour order 28): 4939.29,2641.26 4939.29,2691.26 4964.29,2716.26 5069.29,2716.26 5084.29,2701.26 5084.29,2656.26 5069.29,2641.26
GND on TOP "GND_L01_P030" (hatched 90Degree grid 4 track 5, remove dead copper, pour order 30): 4914.29,2531.26 4914.29,2366.26 4889.29,2341.26 4779.29,2341.26 4754.29,2366.26 4754.29,2496.26 4789.29,2531.26
NetC41_1 on TOP "NETC41_1_L01_P029" (hatched 90Degree grid 4 track 5, remove dead copper, pour order 29): 4949.29,2611.26 5039.29,2611.26 5054.29,2596.26 5054.29,2426.26 5104.29,2376.26 5154.29,2376.26 5164.29,2366.26 5164.29,2326.26 5159.29,2321.26 5059.29,2321.26 5039.29,2341.26 4954.29,2341.26 4939.29,2356.26 4939.29,2466.26 4949.29,2476.26
GND on TOP "GND_L01_P027" (hatched 90Degree grid 4 track 5, remove dead copper, pour order 27): 3630,2530 3630,2365 3605,2340 3495,2340 3470,2365 3470,2495 3505,2530
NetC35_1 on TOP "NETC35_1_L01_P026" (hatched 90Degree grid 4 track 5, remove dead copper, pour order 26): 3665,2610 3755,2610 3770,2595 3770,2425 3820,2375 3870,2375 3880,2365 3880,2325 3875,2320 3775,2320 3755,2340 3670,2340 3655,2355 3655,2465 3665,2475
GND on TOP "GND_L01_P025" (hatched 90Degree grid 4 track 5, remove dead copper, pour order 25): 3655,2640 3655,2690 3680,2715 3785,2715 3800,2700 3800,2655 3785,2640
VCC5V on TOP "VCC5V_L01_P015" (hatched 90Degree grid 4 track 5, remove dead copper, pour order 15): 4585,3650 4585,3670.58 4550,3705.58 4550,3770 4415,3770 4395,3750 4395,3690 4505,3690 4575,3620 4585,3620
VDP1~3 on TOP "VDP1~3_L01_P024" (hatched 90Degree grid 4 track 5, remove dead copper, pour order 24): 3635,2555 3635,2695 3515,2815 3515,3527 3568,3580 3568,3712 3550,3730 3440,3730 3400,3690 3400,2620 3465,2555
VBUS on TOP "TOP-VBUS" (hatched 90Degree grid 4 track 5, remove dead copper, pour order 23): 4456,4540 4050,4540 3890,4380 3890,3794 3836,3740 3735,3740 3735,3650 3745,3640 3950,3640 3985,3675 3985,4330 4065,4410 4540,4410 4540,4525 4525,4540
VCC5V on TOP "VCC5V_L01_P021" (hatched 90Degree grid 4 track 5, remove dead copper, pour order 21): 4130,4372 4122,4380 4062,4380 4050,4368 4050,4297 4052,4295 4130,4295
VDP4 on TOP "VDP4_L01_P019" (hatched 90Degree grid 4 track 5, remove dead copper, pour order 19): 4055,3955 4205,3955 4215,3945 4215,3915 4205,3905 4070,3905 4055,3920
GND on TOP "GND_L01_P017" (hatched 90Degree grid 4 track 5, remove dead copper, pour order 17): 5050.12,3746 5054.12,3750 5101,3750 5105,3746 5105,3661.57 5093.43,3650 5050.12,3650
VCC5V on TOP "VCC5V_L01_P016" (hatched 90Degree grid 4 track 5, remove dead copper, pour order 16): 4887.93,3597.05 5007.05,3597.05 5020,3610 5020,3715 4945,3715 4920,3690 4920,3618.23 4903.74,3601.97 4887.9,3601.97
NetL1_1 on TOP "NETL1_1_L01_P005" (hatched 90Degree grid 4 track 5, remove dead copper, pour order 5): 4250,3596 4281,3565 4335,3565 4380,3610 4528,3610 4536,3602 4557,3602 4560,3605 4560,3610 4502,3668 4387,3668 4375,3680 4375,3765 4360,3780 4265,3780 4250,3765
GND on TOP "GND_L01_P014" (hatched 90Degree grid 4 track 5, remove dead copper, pour order 14): 4460,4380 4340,4380 4335,4375 4335,4325 4450,4325 4460,4335
GND on TOP "GND_L01_P009" (hatched 90Degree grid 4 track 5, remove dead copper, pour order 9): 3620,3555 3565,3555 3550,3540 3550,3470 3565,3455 3615,3455 3620,3460
OVCUR1 on TOP "OVCUR1_L01_P008" (hatched 90Degree grid 4 track 5, remove dead copper, pour order 8): 3635,3610 3685,3610 3700,3595 3700,3540 3685,3525 3635,3525
VDP1~3 on TOP "VDP1~3_L01_P007" (hatched 90Degree grid 4 track 5, remove dead copper, pour order 7): 3620,3580 3620,3615 3630,3625 3685,3625 3700,3640 3700,3720 3690,3730 3550,3730 3550,3595 3565,3580
1V2 on TOP "1V2_L01_P006" (hatched 90Degree grid 4 track 5, remove dead copper, pour order 6): 4160,3785 4180,3765 4180,3585 4205,3560 4205,3420 4185,3400 4055,3400 4035,3420 4035,3765 4055,3785
VCC5V on TOP "VCC5V_L01_P001" (hatched 90Degree grid 4 track 5, remove dead copper, pour order 1): 3772,4102 3860,4190 3860,4550 3695,4550 3660,4515 3660,4445 3615,4400 3615,3880 3595,3860 3565,3860 3550,3845 3550,3775 3555,3770 3725,3770 3745,3790 3745,3900 3710,3900 3700,3910 3700,4030
GND on TOP "GND_L01_P002" (hatched 90Degree grid 4 track 5, remove dead copper, pour order 2): 3600,3890 3600,3990 3580,4010 3580,4350 3535,4395 3535,4605 3560,4630 3930,4630 3945,4645 3945,4805 3925,4825 3605,4825 3385,4605 3385,3935 3430,3890
VDP4 on TOP "VDP4_L01_P000" (hatched 90Degree grid 4 track 5, remove dead copper, pour order 0): 5335,3885 5405,3885 5415,3875 5470,3875 5470,3820 5455,3805 5330,3805 5315,3820 5315,3870
GND on BOTTOM "GND_L04_P047" (hatched 90Degree grid 4 track 5, remove dead copper, pour order 47): 3290,4980 6240,4980 6240,1785 3290,1785
NetC33_1 on BOTTOM "NETC33_1_L04_P042" (hatched 90Degree grid 4 track 5, remove dead copper, pour order 42): 4625,4265 4545,4265 4535,4275 4535,4365 4545,4375 4565,4395 4850,4395 4850,4340 4845,4335 4695,4335
VCC5V on BOTTOM "VCC5V_L04_P022" (hatched 90Degree grid 4 track 5, remove dead copper, pour order 22): 4910,3684 4924,3670 4972,3670 4990,3688 4990,3745 4925,3810 4425,3810 4400,3785 4400,3740 4414.68,3725.32 4456,3725.32 4480.68,3750 4875,3750 4910,3715
VDP4 on BOTTOM "VDP4_L04_P020" (hatched 90Degree grid 4 track 5, remove dead copper, pour order 20): 5264,4170 5380,4054 5380,3810 5360,3790 5280,3790 5265,3805 5265,4000 5190,4075 4465,4075 4260,3870 4185,3870 4175,3880 4175,3960 4385,4170
GND on GND02 (split plane): 5973.07,4696.93 6219.9,4696.93 6219.9,2060 5975,2060 5975,1805.1 3545,1805.1 3545,2045 3310.1,2045 3310.1,4701.93 3556.93,4701.93 3556.93,4959.9 5973.07,4959.9
3V3 on PWR03 (split plane): 5961.14,4715 6179.91,4715 6179.91,2063.07 5963.07,2063.07 5963.07,1845.09 3533.07,1845.09 3533.07,2048.07 3350.09,2048.07 3350.09,4720 3545,4720 3545,4919.91 5961.14,4919.91
VDP1~3 on PWR03 (split plane): 5494.91,2815.82 5494.91,2509.18 5465.82,2480.09 3479.18,2480.09 3460.09,2499.18 3460.09,2720.82 3474.18,2734.91 5185,2734.91 5187.61,2735.26 5190.04,2736.26 5192.13,2737.87 5299.18,2844.91 5465.82,2844.91
1V2 on PWR03 (split plane): 5134.91,3770.82 5134.91,3164.18 5060.82,3090.09 4039.18,3090.09 4015.09,3114.18 4015.09,3425.82 4034.18,3444.91 4180.82,3444.91 4204.91,3420.82 4204.91,3312 4205.26,3309.39 4206.27,3306.96 4207.87,3304.87 4234.87,3277.87 4236.96,3276.26 4237.67,3275.97 4239.39,3275.26 4242,3274.91 4850,3274.91 4852.61,3275.26 4855.04,3276.26 4857.13,3277.87 4912.13,3332.87 4913.73,3334.96 4914.45,3336.68 4914.74,3337.39 4915.09,3340 4915.09,3590 4914.74,3592.61 4914.24,3593.83 4913.73,3595.04 4912.13,3597.13 4862.13,3647.13 4860.04,3648.74 4857.61,3649.74 4855,3650.09 4694.18,3650.09 4675.09,3669.18 4675.09,3775.82 4699.18,3799.91 5105.82,3799.91
VCC5V on PWR03 (split plane): 4129.91,4415.82 4129.91,4269.18 4125.82,4265.09 4020,4265.09 4017.39,4264.74 4016.68,4264.45 4014.96,4263.73 4012.87,4262.13 3831.21,4080.48 3829.61,4078.39 3828.6,4075.96 3828.26,4073.35 3828.26,3861.65 3828.6,3859.04 3829.61,3856.61 3831.21,3854.52 3892.87,3792.87 3894.96,3791.26 3896.68,3790.55 3897.39,3790.26 3900,3789.91 4185,3789.91 4187.61,3790.26 4190.04,3791.26 4192.13,3792.87 4234.18,3834.91 4450.82,3834.91 4479.91,3805.82 4479.91,3639.18 4459.51,3618.77 3770.49,3618.77 3585.09,3804.18 3585.09,4175.82 3754.18,4344.91 3835,4344.91 3837.61,4345.26 3840.04,4346.27 3842.13,4347.87 3914.18,4419.91 4125.82,4419.91
NetC33_1 on PWR03 (split plane): 4879.91,4515.82 4879.91,4358.44 4856.56,4335.09 4695,4335.09 4692.39,4334.74 4691.17,4334.24 4689.96,4333.73 4687.87,4332.13 4610.82,4255.09 4494.18,4255.09 4465.09,4284.18 4465.09,4440.82 4494.18,4469.91 4670,4469.91 4672.61,4470.26 4675.04,4471.27 4677.13,4472.87 4739.18,4534.91 4860.82,4534.91

## Keep-outs
Keep-Out Layer:
  the board outline again, w10

## Other copper
TOP:
  rectangle net GND: 5816,4825 6095,4947.5
  rectangle net GND: 6090,4660 6207.5,4835
  rectangle net GND: 6092,1925 6210,2065.96
  rectangle net GND: 5880,1817.5 6042.97,1940
  rectangle net GND: 3470,1817.5 3628,1930
  rectangle net GND: 3322.5,1935 3430,2072
  rectangle net GND: 3325,4706.36 3435.22,4810
  rectangle net GND: 3465,4835.14 3564,4925
  region net GND: 3800.57,2289.46 3675.57,2289.46 3675.57,2119.46 3800.57,2119.46
  region net GND: 4317.9,2289.46 4192.9,2289.46 4192.9,2119.46 4317.9,2119.46
  region net GND: 5084.87,2290.72 4959.87,2290.72 4959.87,2120.72 5084.87,2120.72
  region net GND: 5602.19,2290.72 5477.19,2290.72 5477.19,2120.72 5602.19,2120.72
  region net GND: 5734.28,3008.61 5734.28,2883.61 5904.28,2883.61 5904.28,3008.61
  region net GND: 5734.28,3525.93 5734.28,3400.93 5904.28,3400.93 5904.28,3525.93
  region net GND: 5739.28,4048.61 5739.28,3923.61 5909.28,3923.61 5909.28,4048.61
  region net GND: 5739.28,4565.93 5739.28,4440.93 5909.28,4440.93 5909.28,4565.93
  rectangle net GND: 5054.02,4535 5179.02,4705
  rectangle net GND: 4580,4535 4705,4705
  rectangle net NetC53_1: 5665,4055 5695,4115
  region net NetC47_1: 5693.74,2998.03 5693.74,3078.03 5653.74,3078.03 5653.74,2998.03
  rectangle net NetC41_1: 5074.29,2331.26 5154.29,2371.26
  rectangle net NetC35_1: 3790,2330 3870,2370
  rectangle net GND: 3745,4660 3825,4745
  rectangle net GND: 3640,4640 3915,4690
  rectangle net VCC5V: 3670,4400 3785,4455
  rectangle net VCC5V: 3745,4350 3825,4500
  pour cut-out: 5216,4655 5276,4715 5845,4715 5875,4685 5875,4600 5835,4560 5240,4560 5215,4585
  region: 4899.33,3570.47
  text "'.Layer_Name'" at 3720.71,5139.02 h100
BOTTOM:
  rectangle net NetC33_1: 4740,4345 4845,4395
  pour cut-out: 4846,4473 4903.89,4473 4929.12,4447.77 4929.12,4330.72 4920,4321.6 4858.4,4321.6 4845,4335
  text "'.Layer_Name'" at 5281.52,5139.02 h100
GND02 (plane layer: these items are gaps in the copper):
  region: 3556.93,4961.93 3306.93,4961.93 3306.93,4701.93 3556.93,4701.93
  region: 6223.07,4970 5973.07,4970 5973.07,4696.93 6223.07,4696.93
  region: 6225,2060 5975,2060 5975,1800 6225,1800
  rectangle: 3310,1805 3545,2045
  text "'.Layer_Name'" at 4088.8,5139.02 h100
PWR03 (plane layer: these items are gaps in the copper):
  rectangle: 5961.14,4715 6211.14,4960
  rectangle: 5963.07,1818.07 6213.07,2063.07
  rectangle: 3283.07,1803.07 3533.07,2048.07
  rectangle: 3295,4720 3545,4965
  lines w20: 3450,2495 3450,2725 3470,2745 5185,2745 5295,2855 5470,2855 5505,2820 5505,2505 5470,2470 3475,2470 3450,2495 ; 3575,3800 3766.31,3608.69 4463.69,3608.69 4490,3635 4490,3810 4455,3845 4230,3845 4185,3800 3900,3800 3838.35,3861.65 3838.35,4073.35 4020,4255 4130,4255 4140,4265 4140,4420 4130,4430 3910,4430 3835,4355 3750,4355 3575,4180 3575,3800 ; 4005,3110 4005,3430 4030,3455 4185,3455 4215,3425 4215,3312 4242,3285 4570,3285 4795,3285 4850,3285 4905,3340 4905,3590 4855,3640 4690,3640 4665,3665 4665,3780 4695,3810 5110,3810 5145,3775 5145,3160 5065,3080 4035,3080 4005,3110 ; 4455,4280 4490,4245 4525,4245 4615,4245 4695,4325 4860.74,4325 4890,4354.26 4890,4520 4865,4545 4735,4545 4670,4480 4490,4480 4455,4445 4455,4280
  text "'.Layer_Name'" at 4710.15,5139.02 h100

## Silkscreen, mask and mechanical layers (free items; w line width, h text height)
Top Overlay:
  circle w10: c5174,3119 r15.62
  lines w10: 3823,3844 3961,3844 3981,3864 3981,3956 3866,3956
  text "USB3.0 HUB" at 3549.09,3175.01 h60
  text "VL812" at 3695.04,3060.01 h60
Sheet:
  drawing of 865 lines, arcs and shapes, not listed
  text "Layer" at 8445.88,6098.68 h60
  text "Name" at 8855.79,6098.68 h60
  text "Material" at 9785.54,6098.68 h60
  text "Thickness" at 10645.3,6098.68 h60
  text "Constant" at 11295.14,6098.68 h60
  text "Board Layer Stack" at 11865,6098.68 h60
  text "Top Overlay" at 8855.79,5978.68 h60
  text "Top Solder" at 8855.79,5858.68 h60
  text "Solder Resist" at 9785.54,5858.68 h60
  text "0.020mm" at 10645.3,5858.68 h60
  text "3.8" at 11295.14,5858.68 h60
  text "1" at 8445.88,5738.68 h60
  text "TOP" at 8855.79,5738.68 h60
  text "Copper" at 9785.54,5738.68 h60
  text "0.035mm" at 10645.3,5738.68 h60
  text "2133PP" at 8855.79,5618.68 h60
  text "PP-014" at 9785.54,5618.68 h60
  text "0.100mm" at 10645.3,5618.68 h60
  text "4.05" at 11295.14,5618.68 h60
  text "2" at 8445.88,5498.68 h60
  text "GND02" at 8855.79,5498.68 h60
  text "Copper" at 9785.54,5498.68 h60
  text "0.018mm" at 10645.3,5498.68 h60
  text "Core" at 8855.79,5378.68 h60
  text "Core-036" at 9785.54,5378.68 h60
  text "1.265mm" at 10645.3,5378.68 h60
  text "4.6" at 11295.14,5378.68 h60
  text "3" at 8445.88,5258.68 h60
  text "PWR03" at 8855.79,5258.68 h60
  text "Copper" at 9785.54,5258.68 h60
  text "0.018mm" at 10645.3,5258.68 h60
  text "2313PP" at 8855.79,5138.68 h60
  text "PP-014" at 9785.54,5138.68 h60
  text "0.100mm" at 10645.3,5138.68 h60
  text "4.05" at 11295.14,5138.68 h60
  text "4" at 8445.88,5018.68 h60
  text "BOTTOM" at 8855.79,5018.68 h60
  text "Copper" at 9785.54,5018.68 h60
  text "0.035mm" at 10645.3,5018.68 h60
  text "Bottom Solder" at 8855.79,4898.68 h60
  text "Solder Resist" at 9785.54,4898.68 h60
  text "0.013mm" at 10645.3,4898.68 h60
  text "3.8" at 11295.14,4898.68 h60
  text "Bottom Overlay" at 8855.79,4778.68 h60
  text "Total board thickness:" at 8445.88,4658.68 h60
  text "1.603mm" at 10645.3,4658.68 h60
  text "REF LAYER" at 11429.55,3968.54 h32.81
  text "L1" at 9003.78,3862.22 h39.27
  text "+/-10%" at 10718.22,3861.13 h38.75
  text "L2" at 11511,3861 h39.27
  text "6/8" at 9466.13,3854.86 h39.27
  text "90" at 10111.05,3851.71 h39.27
  text "Note:If etch layer don't have  above impedance track pls ignore" at 8777.94,3608.31 h51.67